# Altium PCB FPv1.3.PcbDoc (part 1 of 2) (continued)
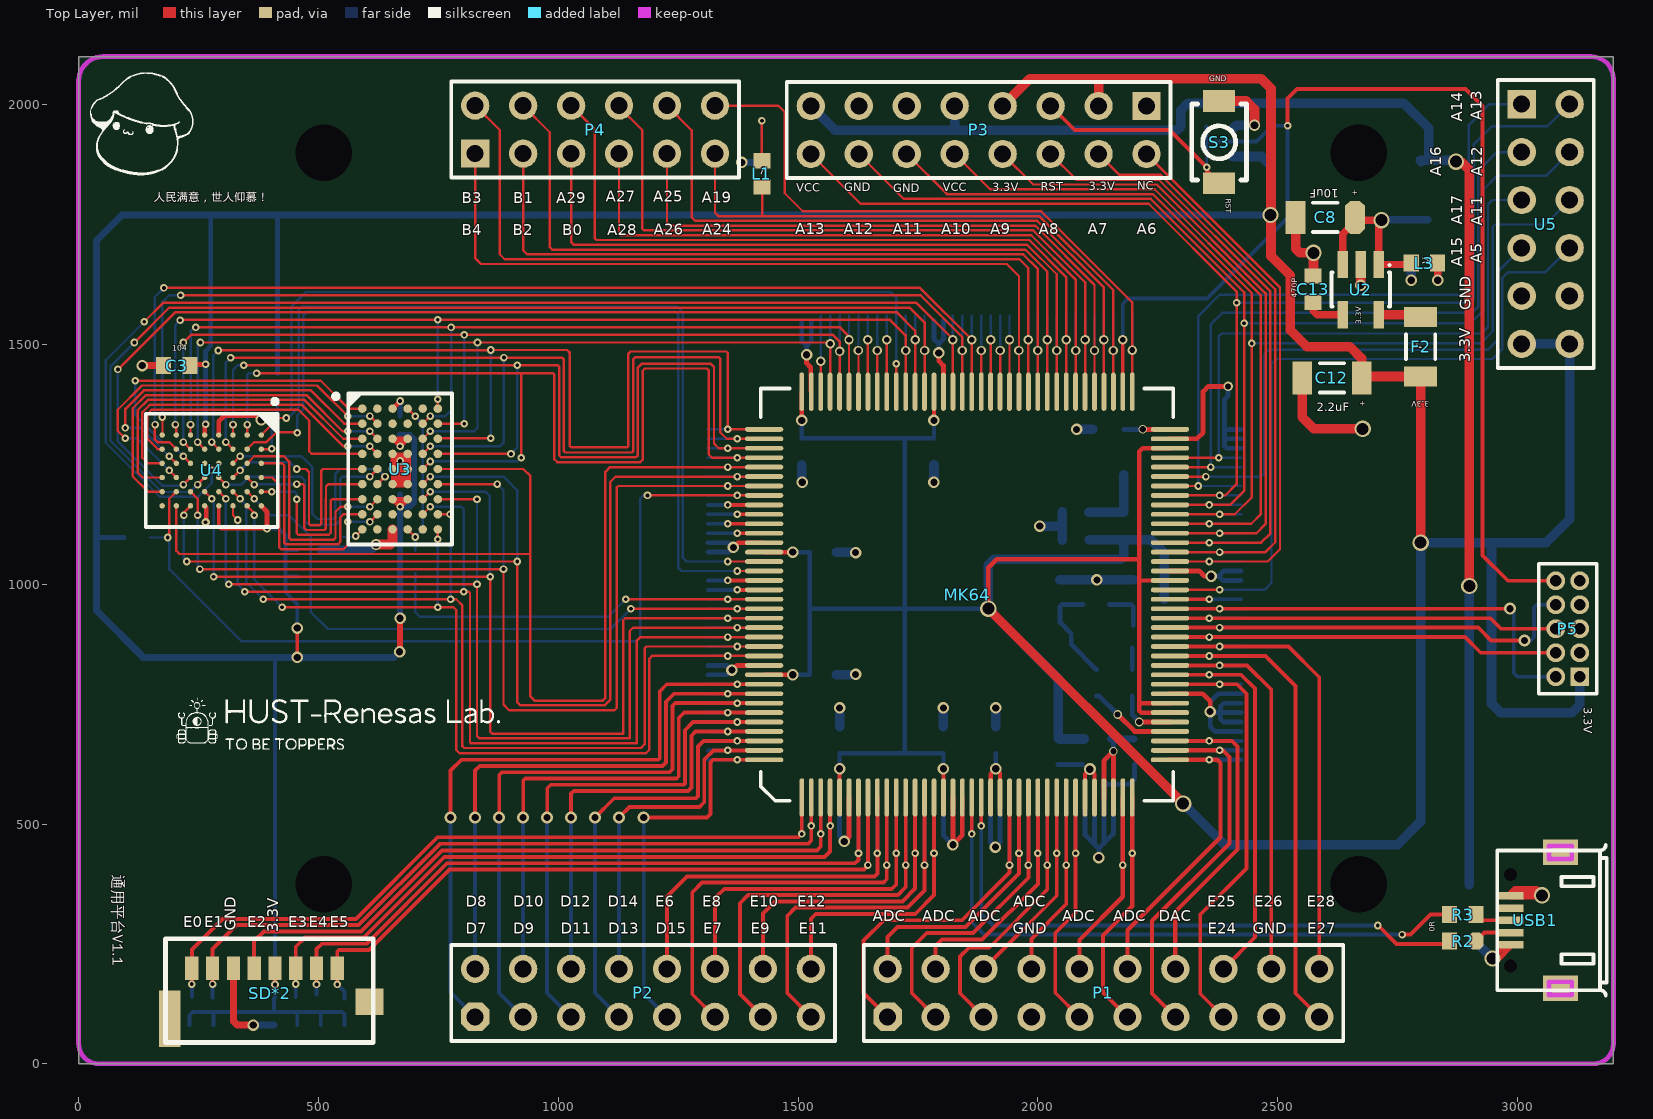
[diagram p0: Top Layer view]
## Footprints (in the part's own frame and the unit in brackets; to place one, negate y for a bottom-side part, rotate by r counter-clockwise, add the part's x,y. Pads: shape width x height; smd on the part's side, far side on the other; paste and mask are expansions set on the pad) (continued)
"key 3*4*2" [mm]
  rect 1.15x1.7 smd: 1(-2.191,0) 2(2.159,0)
  silkscreen extent -2.03,-1.45 2,1.45
LQFP-144 [mil]
  oval 80x10 smd: 1(-423.07,344.49) 2(-423.07,324.8) 3(-423.07,305.12) 4(-423.07,285.43) 5(-423.07,265.75) 6(-423.07,246.06) 7(-423.07,226.38) 8(-423.07,206.69) 9(-423.07,187.01) 10(-423.07,167.32) 11(-423.07,147.64) 12(-423.07,127.95) 13(-423.07,108.27) 14(-423.07,88.58) 15(-423.07,68.9) 16(-423.07,49.21) 17(-423.07,29.53) 18(-423.07,9.84) 19(-423.07,-9.84) 20(-423.07,-29.53) 21(-423.07,-49.21) 22(-423.07,-68.9) 23(-423.07,-88.58) 24(-423.07,-108.27) 25(-423.07,-127.95) 26(-423.07,-147.64) 27(-423.07,-167.32) 28(-423.07,-187.01) 29(-423.07,-206.69) 30(-423.07,-226.38) 31(-423.07,-246.06) 32(-423.07,-265.75) 33(-423.07,-285.43) 34(-423.07,-305.12) 35(-423.07,-324.8) 36(-423.07,-344.49) 73(423.07,-344.49) 74(423.07,-324.8) 75(423.07,-305.12) 76(423.07,-285.43) 77(423.07,-265.75) 78(423.07,-246.06) 79(423.07,-226.38) 80(423.07,-206.69) 81(423.07,-187.01) 82(423.07,-167.32) 83(423.07,-147.64) 84(423.07,-127.95) 85(423.07,-108.27) 86(423.07,-88.58) 87(423.07,-68.9) 88(423.07,-49.21) 89(423.07,-29.53) 90(423.07,-9.84) 91(423.07,9.84) 92(423.07,29.53) 93(423.07,49.21) 94(423.07,68.9) 95(423.07,88.58) 96(423.07,108.27) 97(423.07,127.95) 98(423.07,147.64) 99(423.07,167.32) 100(423.07,187.01) 101(423.07,206.69) 102(423.07,226.38) 103(423.07,246.06) 104(423.07,265.75) 105(423.07,285.43) 106(423.07,305.12) 107(423.07,324.8) 108(423.07,344.49)
  oval 10x80 smd: 37(-344.49,-423.07) 38(-324.8,-423.07) 39(-305.12,-423.07) 40(-285.43,-423.07) 41(-265.75,-423.07) 42(-246.06,-423.07) 43(-226.38,-423.07) 44(-206.69,-423.07) 45(-187.01,-423.07) 46(-167.32,-423.07) 47(-147.64,-423.07) 48(-127.95,-423.07) 49(-108.27,-423.07) 50(-88.58,-423.07) 51(-68.9,-423.07) 52(-49.21,-423.07) 53(-29.53,-423.07) 54(-9.84,-423.07) 55(9.84,-423.07) 56(29.53,-423.07) 57(49.21,-423.07) 58(68.9,-423.07) 59(88.58,-423.07) 60(108.27,-423.07) 61(127.95,-423.07) 62(147.64,-423.07) 63(167.32,-423.07) 64(187.01,-423.07) 65(206.69,-423.07) 66(226.38,-423.07) 67(246.06,-423.07) 68(265.75,-423.07) 69(285.43,-423.07) 70(305.12,-423.07) 71(324.8,-423.07) 72(344.49,-423.07) 109(344.49,423.07) 110(324.8,423.07) 111(305.12,423.07) 112(285.43,423.07) 113(265.75,423.07) 114(246.06,423.07) 115(226.38,423.07) 116(206.69,423.07) 117(187.01,423.07) 118(167.32,423.07) 119(147.64,423.07) 120(127.95,423.07) 121(108.27,423.07) 122(88.58,423.07) 123(68.9,423.07) 124(49.21,423.07) 125(29.53,423.07) 126(9.84,423.07) 127(-9.84,423.07) 128(-29.53,423.07) 129(-49.21,423.07) 130(-68.9,423.07) 131(-88.58,423.07) 132(-108.27,423.07) 133(-127.95,423.07) 134(-147.64,423.07) 135(-167.32,423.07) 136(-187.01,423.07) 137(-206.69,423.07) 138(-226.38,423.07) 139(-246.06,423.07) 140(-265.75,423.07) 141(-285.43,423.07) 142(-305.12,423.07) 143(-324.8,423.07) 144(-344.49,423.07)
  silkscreen extent -430,-430 430,430
MHDR2X5 [mm] "Connector; Header; 5x2 Position"
  rect 1x1 hole 0.6: 1(0,0)
  round 1 hole 0.6: 2(0,1.27) 3(1.27,0) 4(1.27,1.27) 5(2.54,0) 6(2.54,1.27) 7(3.81,0) 8(3.81,1.27) 9(5.08,0) 10(5.08,1.27)
  silkscreen extent -0.9,-0.9 5.98,2.17
PIN [mil]
  rect 10x10 smd: 1(0,0)
SOT-23-5 [mm] "SOT-23/SC-74A; 5 Leads; Body 3.1 x 3 mm, inc. leads (LxW max)"
  rect 0.55x1.45 smd: 1(-0.95,-1.329) 2(0,-1.329) 3(0.95,-1.329) 4(0.95,1.329) 5(-0.95,1.329)
  silkscreen extent -1.57,-1.35 1.55,0.9
TF卡座(短体) [mm]
  rect 1.15x3 smd: 0(0.227,1.27)
  rect 1.48x1.4 smd: 0(10.795,2.159)
  rect 0.7x1.25 smd: 1(9.097,3.937) 2(7.997,3.937) 3(6.897,3.937) 4(5.797,3.937) 5(4.697,3.937) 6(3.597,3.937) 7(2.497,3.937) 8(1.397,3.937)
  silkscreen extent 0,0 11,5.5
USB-MICRO-5P-2F [mm]
  round 0 hole 0.7: 0(-3.725,0) 0(1.125,0)
  rect 0.4x1.4 smd: 1(0,0) 2(-0.65,0) 3(-1.3,0) 4(-1.95,0) 5(-2.6,0)
  rect 1.35x1.85 all layers, no hole: 6(2.3,2.65) 7(-4.9,2.65)
  Keep-Out Layer lines w0.254: 2.65,2.05 1.95,2.05 1.95,3.25 2.65,3.25 2.65,2.05 ; -4.55,2.05 -4.55,3.25 -5.25,3.25 -5.25,2.05 -4.55,2.05
  silkscreen extent -5.3,-0.7 2.7,5.1
XTAL7_3225 [mil]
  rect 47.2x25.6 smd: 1(-47.25,-32.5) 2(47.25,-32.5) 3(47.25,32.5) 4(-47.25,32.5)
  silkscreen extent -79,-75 79,53

## Part data
C1 C2 C3 C4 C5 C6 C7 C10 C11 C13 C15 C16 C17 C18 C27 C36 C37 C38: "贴片电容"
C8 C12 C14: "Polarized Capacitor (Radial)"
D2: library part "Diode 1N4001", "1 Amp General Purpose Rectifier"
F1 F2: library part "Fuse 1", "Fuse"
P1: "Header, 10-Pin, Dual row"
P2 P3: "Header, 8-Pin, Dual row"
P4 U5: "Header, 6-Pin, Dual row"
P5: library part "Header 5X2", "Header, 5-Pin, Dual row"
R2 R3 R4 R5 R6 R7 R8 R9 R10 R14 R15 R16 R17 R26 R27 R28 R30 R31 R32 R34: "贴片电阻"
S3: "Switch"
U2: "LDO"
XTAL1: library part 有源晶体
Y1: library part XTAL, "晶体振荡器"

## Free pads (board coordinates)
  round 39.37 hole 118.11: 0(2669.29,1899.61) 1(2669.29,374.02) 2(510.83,374.02) 3(510.83,1899.61)

## Via types
v1: diameter 15.87, hole 7.87, Top Layer to Bottom Layer, tented both sides, 212 vias
v2: diameter 24, hole 15, Top Layer to Bottom Layer, tented both sides, 37 vias
v3: diameter 19.68, hole 11.81, Top Layer to Bottom Layer, tented both sides, 31 vias
v4: diameter 25, hole 15, Top Layer to Bottom Layer, tented both sides, 12 vias
v5: diameter 34, hole 25, Top Layer to Bottom Layer, tented both sides, 11 vias
v6: diameter 18, hole 13, Top Layer to Bottom Layer, tented both sides, 4 vias
v7: diameter 23.62, hole 15.75, Top Layer to Bottom Layer, tented both sides, 3 vias
v8: diameter 17.83, hole 7.87, Top Layer to Bottom Layer, tented both sides, 1 vias
v9: diameter 20, hole 13, Top Layer to Bottom Layer, tented both sides, 1 vias

## Nets (pads, with @x,y where several pads share a name; then routed paths per layer and width w, separated by ;. In a path a pad name is that pad's centre, name@x,y a point inside that pad or via, vN(x,y) a via of type N, cw(c..) or ccw(c..) an arc to the next point about the centre after c; other vN are vias at no path point)
3.3V: C1.2 C2.2 C3.2 C4.2 C5.2 C6.2 C10.1 C12.1 C14.1 C15.2 C16.2 C17.2 C18.2 C27.2 F2.2 FB1.1 FB2.1 MK64.5 MK64.16 MK64.42 MK64.43 MK64.56 MK64.70 MK64.94 MK64.108 MK64.122 MK64.135 P3.3 P3.7 P5.1 R4.1 R5.1 R6.1 R7.1 R8.1 R9.1 R14.2 R15.2 R16.2 R32.1 SD*2.4 U3.C3 U3.C4 U3.G3 U3.G4 U4.A6 U4.D6 U4.E1 U5.11 U5.12 | length 17051.1
  Top Layer w8: U4.D6@292.32,1163.39 292.32,1121.06 297.24,1116.14 v1(392.72,1116.14) ; v1@409.33,165.47 SD*2.4@409.33,199.29 ; v2(455.71,847.44) v2(455.71,908.46)
  Top Layer w9: MK64.135@1429.29,811.02 v2(1489.17,811.02) ; MK64.122@1429.29,1066.93 v2(1489.17,1066.93) ; v2(1507.87,1341.54) MK64.108@1507.87,1401.42 ; MK64.5@1586.61,555.28 v2(1586.61,615.16) ; v2(1783.46,1341.54) MK64.94@1783.46,1401.42 ; MK64.16@1803.15,555.28 v2(1803.15,615.16) ; v5(1896.65,948.82) 1896.65,1034.45 1914.37,1052.17 2211.61,1052.17 ; 2214.57,751.97 MK64.43@2275.43,751.97 ; MK64.42@2275.43,732.28 2215.55,732.28 2211.61,736.22 2211.61,1007.87 ; MK64.56@2275.43,1007.87 2211.61,1007.87 ; MK64.70@2275.43,1283.46 2218.5,1283.46 2211.61,1276.57 2211.61,1052.17 ; 2211.61,1007.87 2211.61,1052.17
  Top Layer w10: C3.2@234.74,1458.17 v1@264.76,1458.17 ; U4.E1@262.8,1311.02 262.8,1331.69 v1(264.76,1333.66) ; U4.A6@380.91,1163.39 392.72,1151.57 v1(392.72,1116.14) ; U3.G3@654.53,1177.17 U3.G3@655.51,1177.17 ; U3.G3@655.51,1178.15 U3.G3@655.51,1177.17 ; 670.28,1303.15 v1(670.28,1287.4) ; U3.G3@655.51,1177.17 670.28,1177.17 ; U3.G3@655.51,1177.17 655.51,1176.18 v1(670.28,1161.41) ; v1(670.28,1161.41) U3.G4@686.02,1177.17 670.28,1177.17 ; v1(670.28,1161.41) 670.28,1177.17 ; v1(670.28,1287.4) U3.C3@654.53,1303.15 U3.C4@686.02,1303.15 v1(670.28,1287.4)
  Top Layer w12: v2@670.28,862.2 v2(670.28,929.13)
  Top Layer w20: v5(1896.65,948.82) v5(2303.15,542.32) ; P3.7@1926.61,1997.05 1983.7,2054.13 2124.02,2054.13 ; P3.3@2126.61,1997.05 2126.61,2051.54 2124.02,2054.13 ; C12.1@2675.2,1430.12 2675.2,1470.47 2650.59,1495.08 2561.02,1495.08 2526.57,1529.53 2526.57,1643.7 2486.22,1684.06 2486.22,2033.46 2465.55,2054.13 2124.02,2054.13 ; C12.1@2678.15,1433.07 F2.2@2798.23,1433.07 v5(2798.23,1086.61)
  Bottom Layer w8: R8.1@231.3,80.71 231.3,101.38 238.19,108.27 549.21,108.27 554.13,103.35 R4.1@554.13,80.71 ; R7.1@281.5,80.71 281.5,103.35 ; v1(392.72,1116.14) 417.32,1116.14 431.1,1102.36 431.1,1070.87 ; 407.48,109.25 C17.2@407.48,135.83 ; C17.2@409.45,137.8 v1(409.45,165.35) 409.45,845.47 ; 432.23,1015.75 R14.2@456.69,1015.75 ; R6.1@455.71,80.71 455.71,107.28 ; v2(455.71,908.46) 455.71,958.66 431.24,983.13 431.24,1070.72 431.1,1070.87 ; C16.2@456.69,1070.87 431.1,1070.87 ; R5.1@504.92,80.71 504.92,108.27
  Bottom Layer w9: v2(1489.17,811.02) C14.1@1524.61,811.02 1524.61,948.82 ; v2(1489.17,1066.93) C2.2@1524.61,1066.93 1524.61,948.82 ; v2(1507.87,1341.54) C4.2@1507.87,1304.13 1722.44,1304.13 ; v2(1586.61,615.16) C6.2@1586.61,647.64 C1.2@1803.15,647.64 v2(1803.15,615.16) ; 1720.47,948.82 1524.61,948.82 ; 1722.44,648.62 1722.44,948.82 ; v2(1783.46,1341.54) C5.2@1783.46,1304.13 1722.44,1304.13 ; v5(1896.65,948.82) 1722.44,948.82 ; 1722.44,948.82 1722.44,1304.13
  Bottom Layer w10: 35.43,1097.44 R15.2@94.49,1097.44 ; v1(264.76,1333.66) v1(264.76,1458.66) 264.76,1486 275.59,1496.82 275.59,1768.7 ; R16.2@414.37,1438.98 414.37,1767.72
  Bottom Layer w12: v2(670.28,929.13) v1(670.28,1161.41) ; C18.2@670.28,1187.01 v1(670.28,1161.41) ; C15.2@670.28,1311.02 690.94,1311.02 699.8,1302.17 699.8,1170.28 690.94,1161.41 v1(670.28,1161.41)
  Bottom Layer w15: v2(669.29,859.25) 657.48,847.44 v2(455.71,847.44) 134.84,847.44 37.4,944.88 37.4,1716.54 90.55,1769.69 v5(2485.24,1769.69) v5@2486.22,1770.67 ; v1(670.28,1287.4) C15.2@670.28,1311.02
  Bottom Layer w20: FB1.1@2042.32,679.13 2042.32,803.15 v5(1896.65,948.82) 1896.65,1040.35 1908.46,1052.17 2173.23,1052.17 2179.13,1058.07 FB2.1@2179.13,1092.52 ; FB1.1@2044.29,677.17 C10.1@2096.46,677.17 ; C27.2@2107.28,1092.52 FB2.1@2179.13,1092.52 ; R9.1@2263.78,968.5 2263.78,1064.96 2236.22,1092.52 FB2.1@2179.13,1092.52 ; v5(2303.15,542.32) 2388.78,456.69 2750,456.69 2798.23,504.92 v5(2798.23,1086.61) 2945.87,1086.61 ; R32.1@2406.5,1891.73 2466.54,1891.73 2486.22,1872.05 v5@2486.22,1770.67 ; U5.11@3008.86,1500.98 U5.12@3108.86,1500.98 3108.86,1135.43 3060.04,1086.61 2945.87,1086.61 ; P5.1@3129.92,807.09 3129.92,748.03 3114.17,732.28 2964.57,732.28 2945.87,750.98 2945.87,1086.61
5V: C8.1 F1.2 L3.1 U2.1 U2.3 | length 417.1
  Top Layer w15: U2.3@2635.83,1666.5 2635.83,1730.31 2661.42,1755.91 2664.37,1758.86 v5(2716.54,1758.86) 2710.63,1752.95 U2.1@2710.63,1666.5 2775.75,1666.5 L3.1@2778.54,1669.29
  Bottom Layer w15: v5(2716.54,1758.86) 2717.52,1759.84 F1.2@2812.99,1759.84
50MHZ: MK64.72 XTAL1.3 | length 96.3
  Top Layer w10: v6(2218.5,1322.84) MK64.72@2275.43,1322.83
  Bottom Layer w10: XTAL1.3@2179.15,1322.84 v6(2218.5,1322.84)
AD0: MK64.133 P7.12 U3.J6 U4.B6 | length 1942.5
  Top Layer w5: U4.B6@351.38,1163.39 366.14,1148.62 v1(366.14,1143.7) ; v1(424.21,951.77) v1(749.02,951.77) 781.5,951.77 787.4,945.87 787.4,654.53 794.29,647.64 1183.07,647.64 1190.12,654.68 1190.12,844.65 1195.87,850.39 v1(1353.35,850.39) MK64.133@1429.29,850.39 ; v1(749.02,1093.5) U3.J6@749.02,1114.17
  Bottom Layer w5: v1(366.14,1143.7) 366.14,1009.84 v1(424.21,951.77) ; v1(749.02,951.77) v1(749.02,1093.5) ; P7.12@1312.01,850.39 v1(1353.35,850.39)
AD1: MK64.132 P7.13 U3.H6 U4.C5 | length 2064.6
  Top Layer w5: U4.C5@321.85,1192.91 v1(336.61,1178.15) ; v1(384.84,968.5) v1(775.59,968.5) 787.4,968.5 800.2,955.71 800.2,662.4 804.13,658.46 1172.24,658.46 1180.12,666.34 1180.12,866.14 1184.05,870.08 v1(1373.03,870.08) MK64.132@1429.29,870.08 ; U3.H6@749.02,1145.67 v1(774.61,1145.67)
  Bottom Layer w5: v1(336.61,1178.15) 349.41,1165.35 349.41,1003.94 v1(384.84,968.5) ; v1(774.61,1145.67) 775.59,1145.67 v1(775.59,968.5) ; P7.13@1312.01,870.08 v1(1373.03,870.08)
AD2: MK64.131 P7.14 U3.H5 U4.C6 | length 2110.1
  Top Layer w5: U4.C6@321.85,1163.39 321.85,1143.7 v1(331.68,1133.87) ; v1(346.46,984.25) v1(803.15,984.25) 813.98,984.25 815.94,982.28 815.94,670.43 817.91,668.46 1163.39,668.46 1163.39,881.89 1171.26,889.76 v1(1353.35,889.76) MK64.131@1429.29,889.76 ; U3.H5@717.52,1145.67 v1(733.27,1161.42)
  Bottom Layer w5: v1(331.68,1133.87) 331.68,999.2 346.46,984.43 v1(346.46,984.25) ; v1(733.27,1161.42) 798.23,1161.42 803.15,1156.5 v1(803.15,984.25) ; P7.14@1312.01,889.76 v1(1353.35,889.76)
AD3: MK64.130 P7.15 U3.G6 U4.D5 | length 2182.8
  Top Layer w5: U4.D5@292.32,1192.91 v1(307.09,1178.15) ; v1(312.99,1000) v1(830.71,1000) 830.71,683.39 835.63,678.46 1148.78,678.46 1148.78,901.73 1156.5,909.45 v1(1373.03,909.45) MK64.130@1429.29,909.45 ; U3.G6@749.02,1177.17 v1(830.71,1177.17)
  Bottom Layer w5: v1(307.09,1178.15) 307.09,1005.91 v1(312.99,1000) ; v1(830.71,1000) v1(830.71,1177.17) ; P7.15@1312.01,909.45 v1(1373.03,909.45)
AD4: MK64.129 P7.16 U3.G5 U4.E5 | length 2254.1
  Top Layer w5: U4.E5@262.8,1192.91 v1(277.56,1178.15) ; v1(281.5,1015.75) v1@857.28,1015.75 ; U3.G5@717.52,1177.17 v1(733.27,1192.91) ; v1(858.27,1015.75) 858.27,692.4 862.2,688.46 1135.32,688.46 1135.32,924.69 1139.76,929.13 v1(1353.35,929.13) MK64.129@1429.29,929.13
  Bottom Layer w5: v1(277.56,1178.15) 281.5,1174.21 v1(281.5,1015.75) ; v1(733.27,1192.91) 848.43,1192.91 857.28,1184.06 v1@857.28,1016.06 ; P7.16@1312.01,929.13 v1(1353.35,929.13)
AD5: MK64.115 P7.30 U3.F6 U4.F5 | length 2444
  Top Layer w5: U4.F5@233.27,1192.91 248.03,1178.15 v1(248.03,1143.7) ; v1(252.95,1031.5) v1(885.83,1031.5) 885.83,749.02 897.64,737.2 1117.13,737.2 1122.05,742.13 1122.05,1201.77 1125,1204.72 v1(1353.35,1204.72) MK64.115@1429.29,1204.72 ; U3.F6@749.02,1208.66 v1(873.03,1208.66)
  Bottom Layer w5: v1(248.03,1143.7) 248.03,1036.42 v1(252.95,1031.5) ; v1(873.03,1208.66) 885.83,1195.87 v1(885.83,1031.5) ; P7.30@1312.01,1204.72 v1(1353.35,1204.72)
AD6: MK64.114 P7.31 U3.F5 U4.F6 | length 2516.4
  Top Layer w5: v1(219.49,1143.7) 219.49,1149.61 U4.F6@233.27,1163.39 ; v1(225.39,1047.24) v1(914.37,1047.24) 914.37,754.09 921.26,747.2 1096.61,747.2 1108.27,758.86 1108.27,1212.6 1120.08,1224.41 v1(1373.03,1224.41) MK64.114@1429.29,1224.41 ; U3.F5@717.52,1208.66 v1(733.27,1224.41)
  Bottom Layer w5: v1(219.49,1143.7) 219.49,1053.15 v1(225.39,1047.24) v1@229.33,1047.24 ; v1(733.27,1224.41) 885.83,1224.41 914.37,1195.87 v1(914.37,1047.24) ; P7.31@1312.01,1224.41 v1(1373.03,1224.41)
AD7: MK64.113 P7.32 U3.E6 U4.G6 | length 2502.9
  Top Layer w5: U4.G6@203.74,1163.39 203.74,1069.88 210.63,1062.99 941.93,1062.99 ; U3.E6@749.02,1240.16 927.17,1240.16 941.93,1225.39 941.93,1062.99 ; MK64.113@1429.29,1244.09 v1(1353.35,1244.09) 1108.27,1244.09 1098.27,1234.09 1098.27,763 1092.47,757.2 950.79,757.2 941.93,766.06 941.93,1062.99
  Bottom Layer w5: P7.32@1312.01,1244.09 v1(1353.35,1244.09)
AD8: MK64.112 P7.33 U3.E5 U4.B1 | length 2206.3
  Top Layer w5: U4.B1@351.38,1311.02 v1(351.38,1332.68) ; v1(371.06,1439.96) 923.07,1439.96 ; U3.E5@717.52,1240.16 v1(733.27,1255.91) ; v1(923.07,1263.78) 923.07,1439.96 ; MK64.112@1429.29,1263.78 v1(1373.03,1263.78) 1320.87,1263.78 1313.98,1270.67 1313.98,1445.87 1310.04,1449.8 1181.1,1449.8 1176.18,1444.88 1176.18,1259.84 1170.94,1254.61 997.98,1254.61 991.81,1260.78 991.81,1437.32 989.17,1439.96 923.07,1439.96
  Bottom Layer w5: v1(351.38,1332.68) 351.38,1437.01 354.33,1439.96 v1(371.06,1439.96) ; v1@733.58,1256.22 915.51,1256.22 v1(923.07,1263.78) ; P7.33@1312.01,1263.78 v1(1373.03,1263.78)
AD9: MK64.111 P7.34 U3.D6 U4.C1 | length 2174.1
  Top Layer w5: U4.C1@321.85,1311.02 v1(321.85,1332.68) ; v1(344.49,1456.69) v1(914.37,1456.69) 999.02,1456.69 1001.81,1453.9 1001.81,1268.86 1006.06,1264.61 1162.24,1264.61 1166.18,1268.54 1166.18,1451.61 1174.37,1459.8 1317.76,1459.8 1324.8,1452.76 1324.8,1293.31 1334.65,1283.46 v1(1353.35,1283.46) MK64.111@1429.29,1283.46 ; U3.D6@749.02,1271.65 v1(901.57,1271.65)
  Bottom Layer w5: v1(321.85,1332.68) 321.85,1446.85 331.69,1456.69 v1(344.49,1456.69) ; v1(901.57,1271.65) 914.21,1284.29 914.21,1456.54 v1(914.37,1456.69) ; P7.34@1312.01,1283.46 v1(1353.35,1283.46)
AD10: MK64.110 P7.35 U3.D5 U4.C2 | length 2279
  Top Layer w5: v1(307.09,1296.26) U4.C2@321.85,1281.5 ; v1(316.93,1472.13) v1@886.81,1472.13 ; U3.D5@717.52,1271.65 v1(733.27,1287.4) ; v1(886.81,1472.44) 1007.87,1472.44 1011.81,1468.5 1011.81,1277.56 1014.76,1274.61 1153.54,1274.61 1156.18,1277.24 1156.18,1468.19 1161.42,1473.43 1334.65,1473.43 1337.6,1470.47 1337.6,1316.76 1351.21,1303.15 v1(1373.03,1303.15) MK64.110@1429.29,1303.15
  Bottom Layer w5: v1(307.09,1296.26) 306.41,1296.93 306.41,1461.61 v1(316.93,1472.13) ; v1(733.27,1287.4) 877.95,1287.4 886.81,1296.26 v1(886.81,1472.44) ; P7.35@1312.01,1303.15 v1(1373.03,1303.15)
AD11: MK64.109 P7.36 U3.C6 U4.D2 | length 2251.6
  Top Layer w5: v1(277.56,1296.26) U4.D2@292.32,1281.5 ; v1@287.4,1487.57 287.71,1487.88 291.34,1487.88 v1@859.25,1487.88 ; U3.C6@749.02,1303.15 750,1304.13 v1(859.25,1304.13) ; v1(859.25,1488.19) 1018.7,1488.19 1023.62,1483.27 1023.62,1288.39 1026.57,1285.43 1143.7,1285.43 1146.18,1287.91 1146.18,1480.83 1150.59,1485.24 1350.39,1485.24 1353.35,1482.28 v1(1353.35,1322.83) MK64.109@1429.29,1322.83
  Bottom Layer w5: v1(277.56,1296.26) 280.51,1299.21 280.51,1476.38 v1(291.34,1487.2) ; v1(859.25,1304.13) 858.27,1304.13 858.76,1304.63 859.25,1305.12 v1(859.25,1488.19) ; P7.36@1312.01,1322.83 v1(1353.35,1322.83)
AD12: MK64.105 P8.4 U3.C5 U4.E2 | length 2001.6
  Top Layer w5: v1(248.03,1296.26) U4.E2@262.8,1281.5 ; v1@257.87,1503.94 v1(831.69,1503.94) 1563.98,1503.94 v3(1566.93,1500.98) MK64.105@1566.93,1401.42 ; U3.C5@717.52,1303.15 v1(733.27,1318.9)
  Bottom Layer w5: v1(248.03,1296.26) 248.7,1296.93 248.7,1498.7 v1(253.94,1503.94) ; v1(733.27,1318.9) 824.8,1318.9 831.69,1325.79 v1(831.69,1503.94) ; v3(1566.93,1500.98) P8.4@1566.93,1549.21 P8.4@1566.93,1560.04
AD13: MK64.104 P8.5 U3.B6 U4.F2 | length 2028.9
  Top Layer w5: v1(218.5,1296.26) U4.F2@233.27,1281.5 ; v1(218.5,1503.94) 234.25,1519.69 v1(804.13,1519.69) 1572.9,1519.69 1586.61,1505.97 v3(1586.61,1485.24) MK64.104@1586.61,1401.42 ; U3.B6@749.02,1334.65 v1(804.13,1334.65)
  Bottom Layer w5: v1(218.5,1296.26) 217.83,1296.93 217.83,1503.26 v1(218.5,1503.94) ; v1(804.13,1334.65) v1(804.13,1519.69) ; v3(1586.61,1485.24) P8.5@1586.61,1549.21 P8.5@1586.61,1560.04
AD14: MK64.103 P8.6 U3.B5 U4.F1 | length 2006.8
  Top Layer w5: U4.F1@233.27,1311.02 v1(233.27,1332.68) ; v1(244.09,1535.43) v1(776.57,1535.43) 1587.6,1535.43 1606.3,1516.73 v3(1606.3,1509.89) MK64.103@1606.3,1401.42 ; U3.B5@717.52,1334.65 v1(733.27,1350.39)
  Bottom Layer w5: v1(233.27,1332.68) 233.94,1333.35 233.94,1528.23 v1@241.14,1535.43 ; v1(733.27,1350.39) 764.76,1350.39 776.57,1362.2 v1(776.57,1535.43) ; v3(1606.3,1509.89) P8.6@1606.3,1549.21 P8.6@1606.3,1560.04
AD15: MK64.97 P8.12 U3.A6 U4.G1 | length 2142.7
  Top Layer w5: U4.G1@203.74,1311.02 v1@203.74,1330.71 ; v1@211.61,1551.18 v1(749.02,1551.18) 1691.93,1551.18 1724.41,1518.7 v3(1724.41,1487.2) MK64.97@1724.41,1401.42 ; U3.A6@749.02,1366.14 v1(749.02,1385.83)
  Bottom Layer w5: v1(201.77,1332.68) 201.77,1540.35 v1(211.61,1550.2) ; v1(749.02,1385.83) v1(749.02,1551.18) ; v3(1724.41,1487.2) P8.12@1724.41,1549.21 P8.12@1724.41,1560.04
AD16: MK64.96 P8.13 U4.F4 | length 2250.4
  Top Layer w5: v1@82.42,1447.83 201.2,1566.62 1706.02,1566.62 1744.09,1528.54 v3(1744.09,1509.89) MK64.96@1744.09,1401.42 ; v1(218.5,1207.68) U4.F4@233.27,1222.44
  Bottom Layer w5: v1(82,1447.83) 82,1297.81 174.26,1205.55 216.38,1205.55 v1(218.5,1207.68) ; v3(1744.09,1509.89) P8.13@1744.09,1549.21 P8.13@1744.09,1560.04
AD17: MK64.95 P8.14 U4.E4 | length 2385.7
  Top Layer w5: v1(116.28,1503.94) 188.96,1576.62 1732.44,1576.62 1763.78,1545.28 v3(1763.78,1487.2) MK64.95@1763.78,1401.42 ; v1(248.03,1207.68) U4.E4@262.8,1222.44
  Bottom Layer w5: v1(116.28,1503.94) 66.57,1454.23 66.57,1299.1 173.43,1192.24 232.59,1192.24 v1(248.03,1207.68) ; v3(1763.78,1487.2) P8.14@1763.78,1549.21 P8.14@1763.78,1560.04
AD18: MK64.92 P8.17 U4.D3 | length 2505.7
  Top Layer w5: v1(136.81,1547.24) 176.18,1586.62 1747.04,1586.62 1822.83,1510.83 v3(1822.83,1509.89) MK64.92@1822.83,1401.42 ; v1(277.56,1237.2) U4.D3@292.32,1251.97
  Bottom Layer w5: v1(136.81,1547.24) 56.57,1467 56.57,1294.96 169.29,1182.24 249.17,1182.24 277.56,1210.63 v1(277.56,1237.2) ; v3(1822.83,1509.89) P8.17@1822.83,1549.21 P8.17@1822.83,1560.04
AD19: MK64.91 P8.18 U4.H1 | length 2174.4
  Top Layer w5: U4.H1@174.21,1311.02 174.89,1311.7 174.89,1347.75 v1(174.21,1348.43) ; v1(212.6,1602.36) 1755.59,1602.36 1842.52,1515.44 v3(1842.52,1487.2) MK64.91@1842.52,1401.42
  Bottom Layer w5: v1(174.21,1348.43) 174.21,1587.6 188.98,1602.36 v1(212.6,1602.36) ; v3(1842.52,1487.2) P8.18@1842.52,1549.21 P8.18@1842.52,1560.04
AD20: MK64.90 P8.19 U4.G2 | length 2266.9
  Top Layer w5: v1(159.45,1332.68) 158.46,1332.68 158.46,1302.53 164.73,1296.26 188.98,1296.26 U4.G2@203.74,1281.5 ; v1(177.84,1617.8) 1754.3,1617.8 v3(1862.2,1509.89) MK64.90@1862.2,1401.42
  Bottom Layer w5: v1(159.45,1332.68) 158.46,1332.68 158.46,1598.43 v1(177.84,1617.8) ; v3(1862.2,1509.89) P8.19@1862.2,1549.21 P8.19@1862.2,1560.04
ADDR0: PIN1.1 U3.J1 | length 45.9
  Top Layer w5: v1(577.76,1100.39) U3.J1@591.54,1114.17
  Bottom Layer w5: PIN1.1@552.17,1098.43 575.79,1098.43 v1(577.76,1100.39)
ADDR1: U3.H1 U4.A3 | length 431.1
  Top Layer w5: U4.A3@380.91,1251.97 424.21,1251.97 428.98,1247.2 428.98,1085.79 431.77,1082.99 540.67,1082.99 545.59,1087.91 545.59,1139.09 552.17,1145.67 U3.H1@591.54,1145.67
ADDR2: U3.H2 U4.A4 | length 439.1
  Top Layer w5: U4.A4@380.91,1222.44 403.54,1222.44 418.31,1207.68 418.31,1076.77 422.09,1072.99 552.32,1072.99 561.02,1081.69 v1(561.02,1129.92) ; v1(607.28,1129.92) U3.H2@623.03,1145.67
  Bottom Layer w5: v1(561.02,1129.92) v1(607.28,1129.92)
ADDR3: U3.G1 U4.A5 | length 366.2
  Top Layer w5: U4.A5@380.91,1192.91 v1(402.56,1192.91) ; v1(454.72,1177.17) 454.72,1106.3 458.03,1102.99 521.3,1102.99 525.59,1107.28 525.59,1155.1 525.59,1174.21 528.54,1177.17 U3.G1@591.54,1177.17
  Bottom Layer w5: v1(402.56,1192.91) 450.79,1192.91 454.72,1188.98 v1(454.72,1177.17)
ADDR4: U3.G2 U4.B3 | length 510.4
  Top Layer w5: U4.B3@351.38,1251.97 366.14,1266.73 428.15,1266.73 438.98,1255.91 438.98,1096.46 442.44,1092.99 532.12,1092.99 535.59,1096.46 535.59,1150.95 546.05,1161.42 v1(561.02,1161.42) v1@560.71,1161.73 ; v1(607.28,1161.42) U3.G2@623.03,1177.17
  Bottom Layer w5: v1(561.02,1161.42) v1(607.28,1161.42)
ADDR5: U3.F1 U4.B4 | length 429
  Top Layer w5: U4.B4@351.38,1222.44 v1(366.14,1207.68) ; v1(454.72,1208.66) 467.52,1208.66 470.31,1205.87 470.31,1117.28 474.61,1112.99 512.44,1112.99 515.59,1116.14 515.59,1178.51 515.75,1178.67 515.75,1203.74 520.67,1208.66 U3.F1@591.54,1208.66
  Bottom Layer w5: v1(366.14,1207.68) 367.13,1208.66 v1(454.72,1208.66)
ADDR6: U3.F2 U4.C3 | length 558.7
  Top Layer w5: U4.C3@321.85,1251.97 v1(336.61,1266.73) ; U3.F2@623.03,1208.66 v1(638.78,1224.41)
  Bottom Layer w5: v1(336.61,1266.73) 464.57,1266.73 487.2,1244.09 487.2,1146.65 498.03,1135.83 530.35,1135.83 535.28,1140.75 535.28,1230.16 545.28,1240.16 623.03,1240.16 v1(638.78,1224.41)
ADDR7: U3.E1 U4.C4 | length 513.3
  Top Layer w5: U4.C4@321.85,1222.44 v1(336.61,1237.2) ; v1(454.72,1240.16) 474.41,1240.16 480.31,1234.25 480.31,1125.98 483.31,1122.99 502.59,1122.99 505.59,1125.98 505.59,1235.9 509.84,1240.16 U3.E1@591.54,1240.16
  Bottom Layer w5: v1(336.61,1237.2) 353.35,1253.94 440.94,1253.94 v1(454.72,1240.16)
ADDR8: U3.E2 U4.D4 | length 533.4
  Top Layer w5: U4.D4@292.32,1222.44 v1(307.09,1207.68) ; v1(607.28,1224.41) U3.E2@623.03,1240.16
  Bottom Layer w5: v1(307.09,1207.68) 339.57,1207.68 356.3,1224.41 463.58,1224.41 471.61,1216.38 471.61,1131.73 478.86,1124.48 536.89,1124.48 545.28,1132.87 545.28,1219.49 550.2,1224.41 v1(607.28,1224.41)
ADDR9: U3.D1 U4.H2 | length 619.1
  Top Layer w5: U4.H2@174.21,1281.5 165.35,1281.5 143.03,1303.82 143.03,1354.44 152.47,1363.88 457.97,1363.88 480.81,1341.04 480.81,1277.07 486.22,1271.65 U3.D1@591.54,1271.65
ADDR10: U3.D2 U4.H3 | length 679.6
  Top Layer w5: U4.H3@174.21,1251.97 144.68,1251.97 133.03,1263.63 133.03,1358.58 148.33,1373.88 465.69,1373.88 552.17,1287.4 v1(561.02,1287.4) ; v1(607.28,1287.4) U3.D2@623.03,1271.65
  Bottom Layer w5: v1(561.02,1287.4) v1(607.28,1287.4)
ADDR11: U3.C1 U4.H4 | length 696.1
  Top Layer w5: U4.H4@174.21,1222.44 133.86,1222.44 123.03,1233.27 123.03,1362.72 144.48,1384.17 470.71,1384.17 551.73,1303.15 U3.C1@591.54,1303.15
ADDR12: U3.C2 U4.H5 | length 775.6
  Top Layer w5: U4.H5@174.21,1192.91 144.68,1192.91 113.03,1224.57 113.03,1366.86 140.34,1394.17 474.92,1394.17 550.2,1318.9 v1(561.02,1318.9) ; v1(607.28,1318.9) U3.C2@623.03,1303.15
  Bottom Layer w5: v1(561.02,1318.9) v1(607.28,1318.9)
ADDR13: U3.B1 U4.G3 | length 715.5
  Top Layer w5: v1(97.44,1325.79) 97.44,1365.42 136.2,1404.17 484.61,1404.17 554.13,1334.65 U3.B1@591.54,1334.65 ; v1(188.98,1266.73) U4.G3@203.74,1251.97
  Bottom Layer w5: v1(97.44,1325.79) 129.92,1325.79 v1(188.98,1266.73)
ADDR14: U3.B2 U4.G4 | length 806
  Top Layer w5: v1@97.64,1303.5 81.54,1319.61 81.54,1363.65 132.06,1414.17 497.24,1414.17 v1(561.02,1350.39) ; v1(188.98,1237.2) U4.G4@203.74,1222.44 ; v1(607.28,1350.39) U3.B2@623.03,1334.65
  Bottom Layer w5: v1@97.45,1307.83 v1(97.45,1304.2) 121.98,1304.2 v1(188.98,1237.2) ; v1(561.02,1350.39) v1(607.28,1350.39)
ADDR15: U3.A1 U4.F3 | length 726.2
  Top Layer w5: v1(118.07,1424.17) 504.96,1424.17 562.99,1366.14 U3.A1@591.54,1366.14 ; v1(218.5,1266.73) U4.F3@233.27,1251.97
  Bottom Layer w5: v1(118.07,1424.17) 118.07,1352.22 174.03,1296.26 188.98,1296.26 v1(218.5,1266.73)
AGND: C10.2 C11.2 MK64.33 MK64.34 R10.2 | length 287.4
  Top Layer w10: MK64.33@2137.79,555.28 2137.79,631.89 v6(2157.48,651.57) MK64.34@2157.48,555.28
  Bottom Layer w10: C11.2@2157.48,632.87 C10.2@2157.48,671.26
  Bottom Layer w15: C10.2@2151.57,677.17 R10.2@2199.8,677.17
ALE: R17.2 U3.A4 U3.J4 | length 338.4
  Top Layer w5: U3.J4@686.02,1114.17 v1(701.77,1098.43) ; U3.A4@686.02,1366.14 v1(701.77,1350.39)
  Bottom Layer w5: R17.2@701.77,1069.88 v1(701.77,1098.43) 717.83,1114.48 717.83,1334.33 v1(701.77,1350.39)
ANALOG1: MK64.23 P1.1 P6.14 | length 815.4
  Top Layer w8: P1.1@1686.81,97.83 1636.81,147.83 1636.81,256.89 1679.13,299.21 1841.54,299.21 1940.94,398.62 MK64.23@1940.94,555.28
  Bottom Layer w8: v1(1940.94,414.37) 1940.94,479.33 P6.14@1940.95,530.51
ANALOG2: MK64.24 P1.2 P6.13 | length 645.4
  Top Layer w8: P1.2@1686.81,197.83 1686.81,264.57 1707.68,285.43 1849.41,285.43 1960.63,396.65 MK64.24@1960.63,555.28
  Bottom Layer w8: v1(1960.63,438.98) 1960.63,479.33 P6.13@1960.63,530.51
ANALOG3: MK64.25 P1.3 P6.12 | length 751.3
  Top Layer w8: P1.3@1786.81,97.83 1737.2,147.44 1737.2,241.14 1768.5,272.43 1864.95,272.43 1980.31,387.8 MK64.25@1980.31,555.28
  Bottom Layer w8: v1(1980.31,414.37) 1980.31,479.33 P6.12@1980.32,530.51
ANALOG4: MK64.26 P1.4 P6.11 | length 586.3
  Top Layer w8: P1.4@1786.81,197.83 1786.81,245.47 1800.2,258.86 1883.86,258.86 2000,375 MK64.26@2000,555.28
  Bottom Layer w8: v1(2000,438.98) 2000,479.33 P6.11@2000,530.51
ANALOG5: MK64.27 P1.5 P6.10 | length 694.2
  Top Layer w8: P1.5@1886.81,97.83 1837.6,147.05 1837.6,223.43 1856.3,242.13 1898.62,242.13 2019.68,363.19 MK64.27@2019.68,555.28
  Bottom Layer w8: v1(2019.69,414.37) 2019.69,479.33 P6.10@2019.69,530.51
ANALOG6: MK64.28 P1.6 P6.9 | length 512.2
  Top Layer w8: P1.6@1886.81,197.83 2039.37,350.39 MK64.28@2039.37,555.28
  Bottom Layer w8: v1(2039.37,438.98) 2039.37,479.33 P6.9@2039.37,530.51
ANALOG7: MK64.29 P1.8 P6.8 | length 503.5
  Top Layer w8: P1.8@1986.81,197.83 1986.81,260.43 2059.05,332.68 MK64.29@2059.05,555.28
  Bottom Layer w8: v1(2059.06,414.37) 2059.06,479.33 P6.8@2059.06,530.51